# Allegro board 8880F5-0825_4.brd (continued)
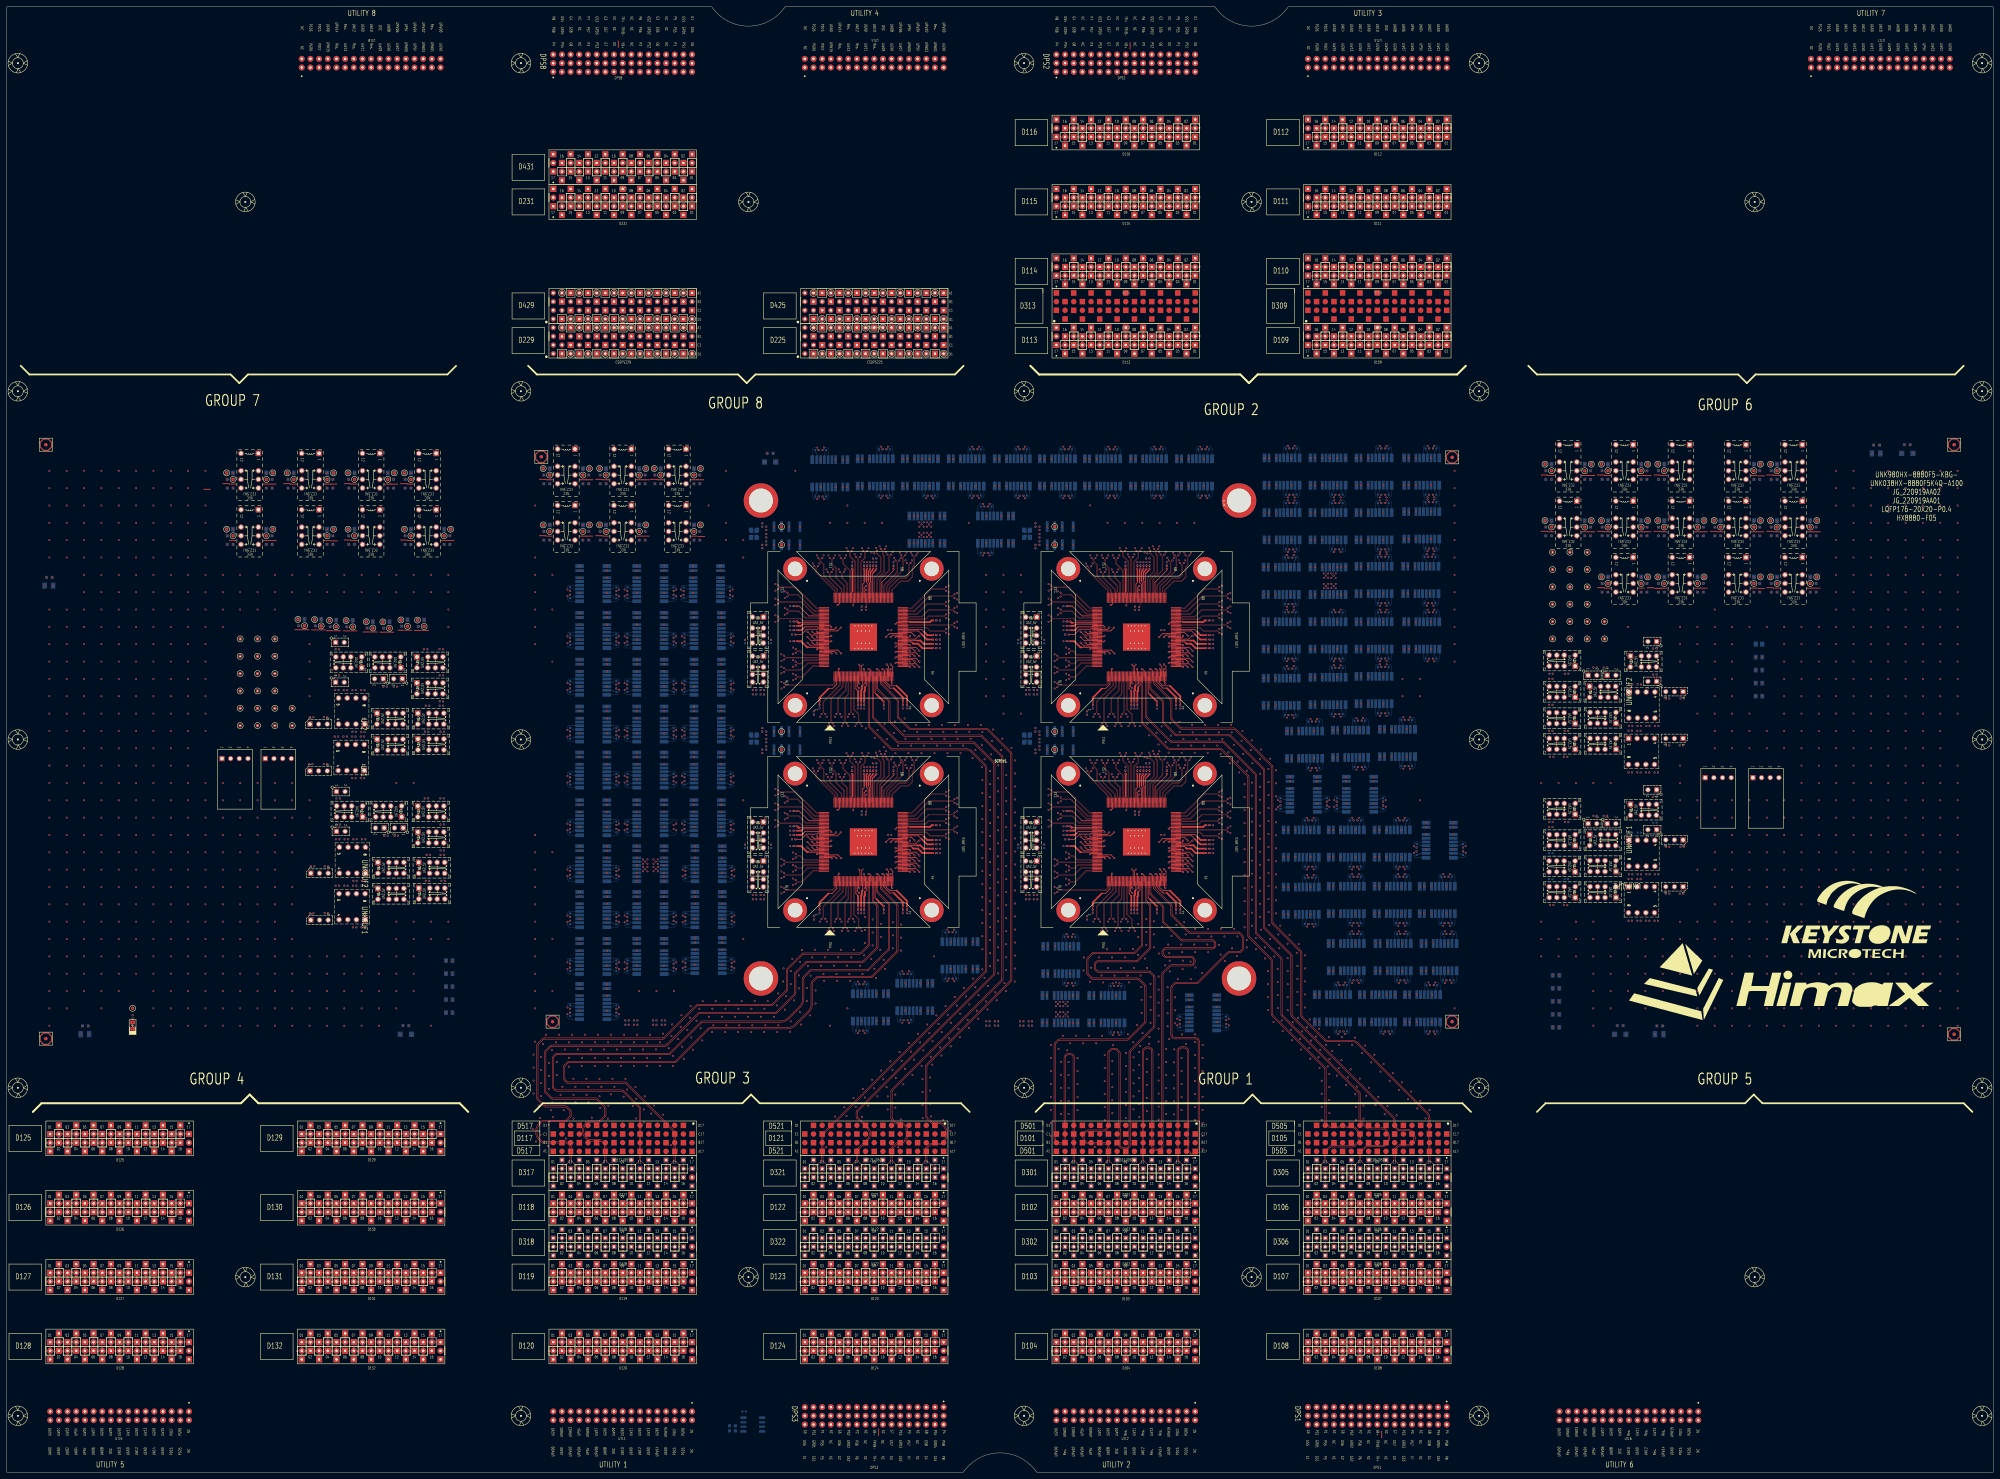
[diagram p0: board, top side]
## Routing (per net, layer and track width the routed paths; a pad name or vN(x,y) marks a point on that pad's centre or on a via; arc(x,y) is an arc through that point) (continued)
S4_ELVRX_100DCH002+: length 337.5
  TOP w0.086: v1(321.88,159.32) 321.42,159.77 321.42,166.55 324.95,170.08 324.95,171.4 325.03,171.48 SITE4.8
  L03_SIGNAL w0.071: 383.54,38.1 385.99,40.55 385.99,43.23 384.79,44.42 376.55,44.42 369.32,51.65 369.32,67.57 364.29,72.6 364.29,126.67 373.42,135.81 373.42,155.04 370.43,158.04 370.43,172.14 378.81,180.53 378.81,191.2 374.24,195.78 373.01,195.78 372.94,195.71 v1(372.94,195.31)
  L28_SIGNAL w0.071: v1(321.88,159.32) 321.47,159.32 321.4,159.24 321.4,157.12 320.04,155.76 308.39,155.76 303.03,161.13 303.03,190.32 308.05,195.34 319.16,195.34 320.83,197.01 355.2,197.01 357.08,195.13 363.03,195.13 368.12,200.21 374.2,200.21 375.73,198.68 375.73,197.09 374.42,195.78 373.01,195.78 372.94,195.71 v1(372.94,195.31)
S4_ELVRX_100DCH002-: length 336.1
  TOP w0.086: SITE4.7 324.63,171.48 324.71,171.4 324.71,170.18 321.18,166.65 321.18,159.77 v1(320.73,159.32)
  L03_SIGNAL w0.071: 388.62,38.1 386.19,40.53 386.19,43.31 384.88,44.62 376.64,44.62 369.52,51.73 369.52,67.65 364.49,72.69 364.49,126.59 373.62,135.72 373.62,155.12 370.62,158.12 370.62,172.06 379.01,180.45 379.01,191.29 374.32,195.98 373.01,195.98 372.94,196.05 v1(372.94,196.45)
  L28_SIGNAL w0.071: v1(320.73,159.32) 321.13,159.32 321.2,159.24 321.2,157.2 319.96,155.96 308.48,155.96 303.23,161.21 303.23,190.23 308.13,195.14 319.25,195.14 320.92,196.81 355.11,196.81 357,194.93 363.12,194.93 368.2,200.02 374.12,200.02 375.53,198.6 375.53,197.17 374.34,195.98 373.01,195.98 372.94,196.05 v1(372.94,196.45)
S4_ELVRX_100DCH003+: length 207.5
  TOP w0.086: SITE4.10 325.83,171.48 325.75,171.4 325.75,168.95 323.58,166.78 323.58,162.51 v1(324.03,162.06)
  L03_SIGNAL w0.071: 381,35.56 383.49,33.07 383.49,31.15 381.59,29.25 378.57,29.25 352.7,55.12 352.7,128.07 356.41,131.77 356.99,131.77 357.06,131.7 v1(357.06,131.3)
  L28_SIGNAL w0.071: v1(357.06,131.3) 357.06,131.7 357.13,131.77 359.94,131.77 360.34,131.38 360.34,129.97 359.59,129.22 336.01,129.22 331.19,134.05 331.19,145.26 323.56,152.89 323.56,161.99 323.63,162.06 v1(324.03,162.06)
S4_ELVRX_100DCH003-: length 209.5
  TOP w0.086: v1(322.89,162.06) 323.34,162.51 323.34,166.88 325.51,169.05 325.51,171.4 325.43,171.48 SITE4.9
  L03_SIGNAL w0.071: v1(357.06,132.44) 357.06,132.04 356.99,131.97 356.33,131.97 352.51,128.15 352.51,55.04 378.49,29.05 381.67,29.05 383.68,31.07 383.68,33.16 386.08,35.56
  L28_SIGNAL w0.071: v1(357.06,132.44) 357.06,132.04 357.13,131.97 360.02,131.97 360.53,131.46 360.53,129.88 359.67,129.02 335.93,129.02 330.99,133.97 330.99,145.18 323.36,152.81 323.36,161.99 323.29,162.06 v1(322.89,162.06)
S4_ELVRX_100DCH004+: length 207.3
  TOP w0.086: SITE4.12 326.63,171.48 326.55,171.4 326.55,167.84 325.57,166.86 325.57,159.77 v1(326.02,159.32)
  L03_SIGNAL w0.071: 391.16,35.56 393.61,33.11 393.61,29.11 390.3,25.8 367.72,25.8 351.08,42.44 351.08,117.95 341.09,127.93 341.09,131.98 341.29,132.18 342.35,132.18 342.75,131.77 343.4,131.77 343.47,131.7 v1(343.47,131.3)
  L28_SIGNAL w0.071: v1(343.47,131.3) 343.47,131.7 343.54,131.77 344.67,131.77 345.06,132.17 345.06,135.3 325.55,154.82 325.55,159.24 325.62,159.32 v1(326.02,159.32)
S4_ELVRX_100DCH004-: length 207.9
  TOP w0.086: SITE4.11 326.23,171.48 326.31,171.4 326.31,167.94 325.33,166.96 325.33,159.77 v1(324.88,159.32)
  L03_SIGNAL w0.071: 396.24,35.56 393.81,33.13 393.81,29.03 390.39,25.6 367.64,25.6 350.88,42.36 350.88,117.87 340.9,127.85 340.9,132.06 341.21,132.38 342.43,132.38 342.84,131.97 343.4,131.97 343.47,132.04 v1(343.47,132.44)
  L28_SIGNAL w0.071: v1(343.47,132.44) 343.47,132.04 343.54,131.97 344.58,131.97 344.86,132.25 344.86,135.22 325.35,154.73 325.35,159.24 325.28,159.32 v1(324.88,159.32)
S4_ELVRX_100DCH005+: length 347.4
  TOP w0.086: SITE4.14 327.43,171.48 327.35,171.4 327.35,162.51 v1(327.8,162.06)
  L03_SIGNAL w0.071: 414.02,38.1 416.42,40.5 416.42,42.35 418.12,44.04 428.49,44.04 438.81,54.37 438.81,134.62 405.22,168.21 405.22,195.03 404.47,195.78 403.11,195.78 403.03,195.71 v1(403.03,195.31)
  L28_SIGNAL w0.071: v1(403.03,195.31) 403.03,195.71 403.11,195.78 412.04,195.78 418.26,189.56 418.26,170.91 416.26,168.91 412.14,168.91 392.3,149.07 367.65,149.07 364.31,152.41 357.8,152.41 356.54,153.67 338.95,153.67 338.27,152.99 331.69,152.99 327.33,157.35 327.33,161.99 327.4,162.06 v1(327.8,162.06)
S4_ELVRX_100DCH005-: length 348.7
  TOP w0.086: SITE4.13 327.03,171.48 327.11,171.4 327.11,162.51 v1(326.66,162.06)
  L03_SIGNAL w0.071: v1(403.03,196.45) 403.03,196.05 403.11,195.98 404.56,195.98 405.42,195.11 405.42,168.29 439.01,134.7 439.01,54.28 428.57,43.84 418.2,43.84 416.62,42.26 416.62,40.58 419.1,38.1
  L28_SIGNAL w0.071: v1(326.66,162.06) 327.06,162.06 327.13,161.99 327.13,157.27 331.6,152.79 338.35,152.79 339.03,153.47 356.45,153.47 357.71,152.21 364.22,152.21 367.56,148.87 392.38,148.87 412.22,168.71 416.34,168.71 418.46,170.82 418.46,189.64 412.12,195.98 403.11,195.98 403.03,196.05 v1(403.03,196.45)
S4_ELVRX_100DCH006+: length 366.4
  TOP w0.086: SITE4.16 328.23,171.48 328.15,171.4 328.15,163.49 329.52,162.12 329.52,159.77 v1(329.98,159.32)
  L03_SIGNAL w0.071: 403.86,38.1 406.28,40.52 406.28,43.76 408.71,46.18 424.79,46.18 436.61,58 436.61,134.51 422.87,148.25 413.37,148.25 403.14,158.48 403.14,190.64 399.68,194.1 392.16,194.1 390.49,195.78 389.52,195.78 389.45,195.71 v1(389.45,195.31)
  L28_SIGNAL w0.071: v1(389.45,195.31) 389.45,195.71 389.52,195.78 390.91,195.78 393.2,193.48 409.55,193.48 414.03,189 414.03,179.35 411.89,177.2 411.89,170.31 395.03,153.45 375.15,153.45 373.68,154.92 360.8,154.92 359.64,156.08 331.11,156.08 329.5,157.68 329.5,159.24 329.57,159.32 v1(329.98,159.32)
S4_ELVRX_100DCH006-: length 367.7
  TOP w0.086: SITE4.15 327.83,171.48 327.91,171.4 327.91,163.39 329.28,162.02 329.28,159.77 v1(328.83,159.32)
  L03_SIGNAL w0.071: v1(389.45,196.45) 389.45,196.05 389.52,195.98 390.57,195.98 392.25,194.3 399.76,194.3 403.34,190.72 403.34,158.56 413.45,148.45 422.95,148.45 436.81,134.6 436.81,57.92 424.87,45.98 408.79,45.98 406.48,43.67 406.48,40.56 408.94,38.1
  L28_SIGNAL w0.071: v1(389.45,196.45) 389.45,196.05 389.52,195.98 390.99,195.98 393.29,193.68 409.63,193.68 414.23,189.08 414.23,179.26 412.08,177.12 412.08,170.23 395.11,153.25 375.07,153.25 373.6,154.72 360.72,154.72 359.56,155.88 331.03,155.88 329.3,157.6 329.3,159.24 329.23,159.32 v1(328.83,159.32)
S4_ISP00+: length 15.9
  TOP w0.086: v1(355.08,185.88) 354.62,186.33 350.29,186.33 349.31,187.31 344.06,187.31 343.98,187.23 SITE4.73
  BOTTOM w0.119: v1(307.81,134.11) UNK4K43.7
S4_ISP00-: length 15.9
  TOP w0.086: SITE4.74 343.98,187.63 344.06,187.55 349.41,187.55 350.39,186.57 354.62,186.57 v1(355.08,187.02)
  BOTTOM w0.119: v1(307.81,137.16) UNK4K43.2
S4_ISP14+: length 14.5
  TOP w0.086: SITE4.112 330.23,197.78 330.15,197.86 330.15,206.59 331.48,207.92 331.48,209.45 v1(331.93,209.9)
  vias: v1(312.21,131.64)
S4_ISP14-: length 14.5
  TOP w0.086: v1(330.79,209.9) 331.24,209.45 331.24,208.02 329.91,206.69 329.91,197.86 329.83,197.78 SITE4.113
  vias: v1(312.21,139.64)
S4_ISP_1LOCK:
  vias: v1(309.91,185.39)
S4_M_DPS_F_001: length 45.2
  TOP w0.231: 346.49,183.63 SITE4.64 ; SITE4.147 313.7,187.63 313.24,187.18 ; SITE4.39 337.43,171.49 338.54,170.37 340.57,170.37 ; 330.63,170.54 SITE4.22 ; SITE4.104 333.43,203.21
  TOP w0.381: v1(334.61,204.54) 334.61,204.39 333.43,203.21
  TOP w0.508: v1(343.63,165.75) 343.63,167.31 340.57,170.37 ; v1(330.17,165.75) 330.17,168.96 330.38,169.17 330.38,170.28 330.63,170.54 ; 313.24,187.18 312.72,186.66 v1(311.44,186.66) ; 346.49,183.63 347.49,183.63 348.48,182.64 v1(351.22,182.64)
  vias: v1(309.4,186.66) v1(330.17,163.71) v1(334.61,206.58) v1(343.63,163.71) v1(353.27,182.64) v1(518.37,295.27) v1(518.37,293.37)
S4_OLVRX_100DCH001+: length 292.8
  TOP w0.086: SITE4.168 317.68,179.23 317.6,179.31 313.35,179.31 312.18,180.49 311.43,180.49 v1(310.98,180.03)
  L03_SIGNAL w0.071: v1(395.5,190.94) 395.1,190.94 395.03,191.02 395.03,192.01 394.27,192.76 393.11,192.76 392.22,191.87 392.22,147.16 392.74,146.64 392.74,119.24 390.72,117.22 390.72,97.12 394.49,93.35 425.06,93.35 427.28,91.13 427.28,65.92 423.73,62.36 416.97,62.36 416.49,61.89 416.49,60.89 414.02,58.42
  L28_SIGNAL w0.071: v1(310.98,180.03) 310.98,180.43 311.05,180.51 312.11,180.51 313.25,181.65 313.25,187.07 317.66,191.48 347.54,191.48 351.15,187.87 355.07,187.87 357.3,190.1 360.42,190.1 362.69,187.84 371.69,187.84 375.83,183.7 389.53,183.7 395.02,189.19 395.02,190.87 395.1,190.94 v1(395.5,190.94)
S4_OLVRX_100DCH001-: length 291.7
  TOP w0.086: SITE4.167 317.68,179.63 317.6,179.55 313.45,179.55 312.28,180.72 311.43,180.72 v1(310.98,181.18)
  L03_SIGNAL w0.071: 419.1,58.42 416.69,60.83 416.69,61.8 417.05,62.16 423.81,62.16 427.48,65.84 427.48,91.21 425.14,93.55 394.57,93.55 390.92,97.2 390.92,117.14 392.94,119.15 392.94,146.73 392.42,147.24 392.42,191.79 393.19,192.56 394.19,192.56 394.83,191.92 394.83,191.02 394.76,190.94 v1(394.35,190.94)
  L28_SIGNAL w0.071: v1(310.98,181.18) 310.98,180.77 311.05,180.7 312.02,180.7 313.05,181.73 313.05,187.15 317.58,191.68 347.62,191.68 351.23,188.07 354.98,188.07 357.22,190.3 360.5,190.3 362.77,188.03 371.77,188.03 375.91,183.89 389.45,183.89 394.83,189.28 394.83,190.87 394.76,190.94 v1(394.35,190.94)
S4_OLVRX_100DCH002+: length 314.9
  TOP w0.086: v1(307.59,178.06) 308.05,178.51 317.6,178.51 317.68,178.43 SITE4.170
  L03_SIGNAL w0.071: v1(395.5,177.36) 395.1,177.36 395.03,177.28 395.03,176.55 395.5,176.07 397.89,176.07 399.07,174.88 399.07,121.98 393.93,116.84 393.93,96.59 395.22,95.3 430.34,95.3 433.89,91.74 433.89,58.72 424.18,49.01 415.08,49.01 413.95,50.13 413.95,53.41 411.48,55.88
  L28_SIGNAL w0.071: v1(307.59,178.06) 307.59,178.46 307.67,178.53 316.95,178.53 319.88,181.46 319.88,187.12 322.62,189.86 347.2,189.86 350.08,186.98 350.08,178 351.58,176.5 377.22,176.5 379.26,178.54 385.21,178.54 387.9,175.86 394.58,175.86 395.02,176.3 395.02,177.28 395.1,177.36 v1(395.5,177.36)
S4_OLVRX_100DCH002-: length 313.8
  TOP w0.086: v1(307.59,179.2) 308.05,178.75 317.6,178.75 317.68,178.83 SITE4.169
  L03_SIGNAL w0.071: v1(394.35,177.36) 394.76,177.36 394.83,177.28 394.83,176.46 395.42,175.87 397.8,175.87 398.88,174.8 398.88,122.07 393.73,116.92 393.73,96.51 395.13,95.1 430.25,95.1 433.7,91.66 433.7,58.8 424.1,49.21 415.16,49.21 414.15,50.21 414.15,53.47 416.56,55.88
  L28_SIGNAL w0.071: v1(394.35,177.36) 394.76,177.36 394.83,177.28 394.83,176.38 394.5,176.05 387.98,176.05 385.29,178.74 379.18,178.74 377.14,176.7 351.66,176.7 350.28,178.08 350.28,187.06 347.28,190.06 322.54,190.06 319.68,187.2 319.68,181.54 316.87,178.73 307.67,178.73 307.59,178.8 v1(307.59,179.2)
S4_OLVRX_100DCH003+: length 236.2
  TOP w0.086: SITE4.172 317.68,177.63 317.6,177.71 313.62,177.71 312.68,176.77 311.43,176.77 v1(310.98,176.32)
  L03_SIGNAL w0.071: v1(382.29,174.18) 381.89,174.18 381.82,174.11 381.82,173.11 383.8,171.12 383.8,142.48 385.69,140.58 385.69,126.54 374.83,115.68 374.83,53.61 379.09,49.35 382.79,49.35 383.51,50.06 383.51,53.37 381,55.88
  L28_SIGNAL w0.071: v1(382.29,174.18) 381.89,174.18 381.82,174.11 381.82,173.11 381.27,172.57 362.44,172.57 359.38,175.64 350.19,175.64 348.56,177.27 348.56,181.1 346.1,183.56 338.63,183.56 334.09,179.03 329.36,179.03 327.12,176.79 311.05,176.79 310.98,176.72 v1(310.98,176.32)
S4_OLVRX_100DCH003-: length 236.5
  TOP w0.086: SITE4.171 317.68,178.03 317.6,177.95 313.52,177.95 312.58,177.01 311.43,177.01 v1(310.98,177.46)
  L03_SIGNAL w0.071: v1(381.15,174.18) 381.55,174.18 381.62,174.11 381.62,173.02 383.6,171.04 383.6,142.39 385.5,140.5 385.5,126.62 374.64,115.76 374.64,53.53 379.01,49.15 382.88,49.15 383.7,49.98 383.7,53.5 386.08,55.88
  L28_SIGNAL w0.071: v1(310.98,177.46) 310.98,177.06 311.05,176.99 327.04,176.99 329.27,179.22 334.01,179.22 338.55,183.76 346.18,183.76 348.76,181.18 348.76,177.35 350.27,175.84 359.46,175.84 362.53,172.77 381.19,172.77 381.62,173.2 381.62,174.11 381.55,174.18 v1(381.15,174.18)
S4_OLVRX_100DCH004+: length 325.2
  TOP w0.086: SITE4.174 317.68,176.83 317.6,176.91 314.63,176.91 312.6,174.88 308.05,174.88 v1(307.59,174.42)
  L03_SIGNAL w0.071: v1(408.96,177.36) 408.56,177.36 408.49,177.28 408.49,176.45 408.86,176.08 415.69,176.08 442.45,149.32 442.45,46.33 422.81,26.68 406.74,26.68 403.77,29.65 403.77,33.11 401.32,35.56
  L28_SIGNAL w0.071: v1(307.59,174.42) 307.59,174.83 307.67,174.9 322.16,174.9 322.89,174.17 357.08,174.17 361.85,169.4 395.83,169.4 402.23,175.8 407.94,175.8 408.49,176.35 408.49,177.28 408.56,177.36 v1(408.96,177.36)
S4_OLVRX_100DCH004-: length 324.2
  TOP w0.086: v1(307.59,175.57) 308.05,175.12 312.5,175.12 314.53,177.15 317.6,177.15 317.68,177.23 SITE4.173
  L03_SIGNAL w0.071: 406.4,35.56 403.97,33.13 403.97,29.73 406.82,26.88 422.72,26.88 442.26,46.41 442.26,149.23 415.61,175.88 408.78,175.88 408.29,176.37 408.29,177.28 408.22,177.36 v1(407.82,177.36)
  L28_SIGNAL w0.071: v1(407.82,177.36) 408.22,177.36 408.29,177.28 408.29,176.43 407.86,176 402.15,176 395.74,169.6 361.93,169.6 357.16,174.37 322.97,174.37 322.24,175.1 307.67,175.1 307.59,175.17 v1(307.59,175.57)
S4_OLVRX_100DCH005+: length 246
  TOP w0.086: v1(310.98,172.38) 311.43,172.83 312.94,172.83 316.22,176.11 317.6,176.11 317.68,176.03 SITE4.176
  L03_SIGNAL w0.071: v1(382.29,160.59) 381.89,160.59 381.82,160.66 381.82,161.67 381.43,162.06 379.72,162.06 379.19,161.54 379.19,131.25 371.5,123.56 371.5,53.93 378.64,46.79 394.74,46.79 396.05,45.48 396.05,40.45 393.7,38.1
  L28_SIGNAL w0.071: v1(310.98,172.38) 310.98,172.78 311.05,172.85 354.69,172.85 362.33,165.21 377.56,165.21 379.02,163.75 379.02,158.06 379.84,157.25 381.03,157.25 381.82,158.03 381.82,160.52 381.89,160.59 v1(382.29,160.59)
S4_OLVRX_100DCH005-: length 245.1
  TOP w0.086: SITE4.175 317.68,176.43 317.6,176.35 316.12,176.35 312.84,173.07 311.43,173.07 v1(310.98,173.52)
  L03_SIGNAL w0.071: 398.78,38.1 396.25,40.63 396.25,45.56 394.83,46.99 378.72,46.99 371.7,54.01 371.7,123.48 379.39,131.17 379.39,161.45 379.8,161.86 381.34,161.86 381.62,161.59 381.62,160.66 381.55,160.59 v1(381.15,160.59)
  L28_SIGNAL w0.071: v1(310.98,173.52) 310.98,173.12 311.05,173.05 354.77,173.05 362.41,165.41 377.65,165.41 379.22,163.83 379.22,158.14 379.92,157.44 380.95,157.44 381.62,158.11 381.62,160.52 381.55,160.59 v1(381.15,160.59)
S4_OLVRX_100DCH006+: length 356.2
  TOP w0.086: SITE4.2 322.63,171.48 322.55,171.4 322.55,171.04 321.9,170.39 308.05,170.39 v1(307.59,169.94)
  L03_SIGNAL w0.071: 411.48,35.56 413.93,33.11 413.93,30.08 415.24,28.77 421.54,28.77 440.75,47.99 440.75,134.42 406.64,168.53 406.64,187.63 408.49,189.48 408.49,190.87 408.56,190.94 v1(408.96,190.94)
  L28_SIGNAL w0.071: v1(408.96,190.94) 408.56,190.94 408.49,190.87 408.49,189.39 410.66,187.22 410.66,171.82 406.9,168.06 397.32,168.06 385.22,155.96 379.39,155.96 374.04,161.31 363.14,161.31 353.9,170.55 343.63,170.55 341.14,168.06 326.8,168.06 324.44,170.41 307.67,170.41 307.59,170.34 v1(307.59,169.94)
S4_OLVRX_100DCH006-: length 354.8
  TOP w0.086: SITE4.1 322.23,171.48 322.31,171.4 322.31,171.14 321.8,170.63 308.05,170.63 v1(307.59,171.09)
  L03_SIGNAL w0.071: v1(407.82,190.94) 408.22,190.94 408.29,190.87 408.29,189.57 406.44,187.72 406.44,168.45 440.55,134.34 440.55,48.07 421.45,28.97 415.32,28.97 414.13,30.16 414.13,33.13 416.56,35.56
  L28_SIGNAL w0.071: v1(407.82,190.94) 408.22,190.94 408.29,190.87 408.29,189.31 410.46,187.13 410.46,171.91 406.81,168.26 397.24,168.26 385.14,156.16 379.48,156.16 374.13,161.51 363.22,161.51 353.98,170.75 343.55,170.75 341.06,168.26 326.88,168.26 324.53,170.61 307.67,170.61 307.59,170.68 v1(307.59,171.09)
S4_PS9G_DCH001: length 3.7
  TOP w0.231: v1(329.63,169.63) 329.03,170.23 SITE4.18
S4_PS9G_DCH002: length 2.2
  TOP w0.231: v1(329.63,171.03) 329.43,171.23 SITE4.19
S4_PS9G_DCH003: length 2.2
  TOP w0.231: v1(331.23,171.03) 331.43,171.23 SITE4.24
S4_PS9G_DCH004: length 2.2
  TOP w0.231: v1(337.63,175.23) 337.83,175.03 SITE4.40
S4_PS9G_DCH005: length 2.2
  TOP w0.231: v1(344.43,175.83) 344.23,176.03 SITE4.45
S4_PS9G_DCH006: length 3.7
  TOP w0.231: v1(345.83,175.83) 345.23,176.43 SITE4.46
S4_PS9G_DCH007: length 5.3
  TOP w0.231: SITE4.47 346.22,176.83 v1(347.22,175.83)
S4_PS9G_DCH009: length 2.2
  TOP w0.231: v1(344.43,177.43) 344.23,177.63 SITE4.49
S4_PS9G_DCH010: length 3.7
  TOP w0.231: v1(345.83,177.43) 345.23,178.03 SITE4.50
S4_PS9G_DCH011: length 5.3
  TOP w0.231: v1(347.22,177.43) 346.22,178.43 SITE4.51
S4_PS9G_DCH014: length 3.7
  TOP w0.231: SITE4.54 345.23,179.63 v1(345.83,179.03)
S4_PS9G_DCH015: length 5.3
  TOP w0.231: v1(347.22,179.03) 346.22,180.03 SITE4.55
S4_PS9G_DCH022: length 5.3
  TOP w0.231: v1(347.22,185.03) 347.05,185.03 346.05,184.03 SITE4.65
S4_PS9G_DCH023: length 2.5
  TOP w0.231: SITE4.66 344.03,184.43 344.43,184.83 v1(344.43,185.03)
S4_PS9G_DCH027: length 3.9
  TOP w0.231: v1(345.83,185.03) 344.83,186.03 SITE4.70
S4_PS9G_DCH028: length 2.3
  TOP w0.231: v1(340.23,188.46) 340.6,188.83 SITE4.77
S4_PS9G_DCH029: length 2.2
  TOP w0.119: SITE4.118 v1(327.83,193.92)
S4_PS9G_DCH030: length 9.2
  TOP w0.231: v1(310.91,185.39) 312.63,185.39 314.16,186.91 317.3,186.91 317.62,187.23 SITE4.148
S4_PS9G_DCH035: length 5.3
  TOP w0.231: v1(314.43,186.23) 315.44,185.23 SITE4.153
S4_PS9G_DCH036: length 2.2
  TOP w0.231: SITE4.154 321.23,184.83 v1(321.43,185.03)
S4_PS9G_DCH037: length 2.2
  TOP w0.231: SITE4.155 317.43,184.43 v1(317.23,184.63)
S4_PS9G_DCH038: length 3.7
  TOP w0.231: v1(315.83,184.63) 316.43,184.03 SITE4.156
S4_PS9G_DCH039: length 5.3
  TOP w0.231: SITE4.157 315.44,183.63 v1(314.43,184.63)
S4_PS9G_DCH040: length 2.2
  TOP w0.231: SITE4.158 321.23,183.23 v1(321.43,183.43)
S4_RLY_001:
  vias: v1(402.14,146.88) v1(415.1,163.64)
S4_RLY_003:
  vias: v1(318.32,131.64) v1(403.41,209.61)
S4_RLY_005:
  vias: v1(388.43,146.88) v1(415.6,146.88)
S4_RLY_007:
  vias: v1(415.61,188.92)
S4_RLY_008:
  vias: v1(375.22,180.15) v1(397.57,131.89)
S4_RLY_016:
  vias: v1(388.43,163.64) v1(410.78,131.89)
S4_RLY_018:
  vias: v1(312.25,216.97)
S4_RLY_021:
  vias: v1(384.36,131.89) v1(401.89,163.64)
S4_RLY_022:
  vias: v1(346.27,138.37) v1(375.73,202.38)
S4_RLY_023:
  vias: v1(392.24,202.38)
S4_RLY_025:
  vias: v1(375.22,163.39) v1(388.43,180.15)
S4_RLY_026:
  vias: v1(401.89,180.15)
S4_RLY_030:
  vias: v1(304.82,146.05)
S4_RLY_043:
  vias: v1(304.61,131.64)
S4_SCAN_DCH008: length 2.2
  TOP w0.231: v1(340.23,177.03) 340.43,177.23 SITE4.48
S4_SCAN_DCH012: length 2.2
  TOP w0.231: v1(340.23,178.63) 340.43,178.83 SITE4.52
S4_SCAN_DCH013: length 2.2
  TOP w0.231: v1(344.43,179.03) 344.23,179.23 SITE4.53
S4_SCAN_DCH016: length 2.2
  TOP w0.231: SITE4.56 340.43,180.43 v1(340.23,180.23)
S4_SCAN_DCH017: length 2.2
  TOP w0.231: v1(344.43,180.63) 344.23,180.83 SITE4.57
S4_SCAN_DCH018: length 3.7
  TOP w0.231: SITE4.58 345.23,181.23 v1(345.83,180.63)
S4_SCAN_DCH019: length 5.3
  TOP w0.231: SITE4.59 346.22,181.63 v1(347.22,180.63)
S4_SCAN_DCH020: length 2.2
  TOP w0.231: SITE4.60 340.43,182.03 v1(340.23,181.83)
S4_SCAN_DCH021: length 2.2
  TOP w0.231: SITE4.61 344.23,182.43 v1(344.43,182.23)
S4_SCAN_DCH024: length 2.2
  TOP w0.231: SITE4.67 340.43,184.83 v1(340.23,184.63)
S4_SCAN_DCH025: length 3.7
  TOP w0.231: v1(338.83,184.63) 339.43,185.23 SITE4.68
S4_SCAN_DCH026: length 5.3
  TOP w0.231: v1(337.44,184.63) 338.44,185.63 SITE4.69
S4_SCAN_DCH031: length 3.7
  TOP w0.231: v1(322.83,187.43) 322.23,186.83 SITE4.149
S4_SCAN_DCH032: length 5.3
  TOP w0.231: v1(324.22,187.43) 323.22,186.43 SITE4.150
S4_SCAN_DCH033: length 2.2
  TOP w0.231: SITE4.151 317.43,186.03 v1(317.23,186.23)
S4_SCAN_DCH034: length 3.7
  TOP w0.231: v1(315.83,186.23) 316.43,185.63 SITE4.152
S4_SPI_1_SCK:
  vias: v1(480.07,175.15)
S4_SPI_1_SDO:
  vias: v1(455.94,166.12)
S4_SPI_2_CSN:
  vias: v1(475.87,173.79)
S4_SPI_2_SCK:
  vias: v1(479.97,161.55)
S4_SPI_2_SDO:
  vias: v1(451.87,166.12)
S4_SPI_11_SDO:
  vias: v1(456.94,166.12) v1(482.61,175.15)
S4_SPI_22_SDI:
  vias: v1(477.43,173.74)
S4_SPI_22_SDO:
  vias: v1(452.87,166.12) v1(482.51,161.55)
S4_SPI_CSN: length 2.2
  TOP w0.231: SITE4.43 339.03,171.23 v1(339.23,171.03)
S4_SPI_SCK: length 2.2
  TOP w0.231: v1(338.83,175.23) 338.63,175.03 SITE4.42
S4_SPI_SDI: length 3.7
  TOP w0.231: SITE4.44 339.43,176.03 v1(338.83,176.63)
S4_SPI_SDO: length 3.7
  TOP w0.231: SITE4.41 338.23,176.03 v1(337.63,176.63)
S4_XTAL_IN: length 2.5
  TOP w0.119: v1(331.63,198.51) 331.43,198.31 SITE4.109
  vias: v1(306.85,211.67)
S4_XTAL_OUT: length 3.7
  TOP w0.231: v1(331.63,199.63) 331.03,199.03 SITE4.110
  vias: v1(306.85,216.97)
UDBGND:
  vias: v1(13.3,262.13) v1(13.55,259.69) v1(23.86,130.71) v1(24.11,128.27) v1(36.83,129.86) v1(117.69,130.81) v1(118.49,128.27) v1(128.57,149.86) v1(128.57,146.05) v1(128.57,138.43) v1(128.57,134.62) v1(130.51,142.24) v1(224.37,298.45) v1(225.17,295.91) v1(452.68,137.92) v1(452.68,134.11) v1(452.68,130.3) v1(454.61,145.54) v1(454.61,141.73) v1(473.29,130.81) v1(474.09,128.27) v1(484.87,130.71) v1(485.12,128.27) v1(512.11,238.76) v1(512.11,234.95) v1(512.11,231.14) v1(512.11,227.33) v1(548.37,300.89) v1(548.62,298.45) v1(557.36,300.99) v1(558.16,298.45)
UT1_UP5V:
  vias: v1(11.05,259.69) v1(11.6,262.13) v1(21.61,128.27) v1(22.16,130.71) v1(36.83,135.89) v1(36.83,133.85) v1(115.19,128.27) v1(115.99,130.81) v1(175.7,264.1) v1(175.7,250.38) v1(175.7,236.67) v1(175.7,222.95) v1(175.7,209.49) v1(175.7,195.52) v1(175.7,182.06) v1(175.7,168.6) v1(175.7,154.88) v1(175.7,141.67) v1(192.47,264.1) v1(192.47,250.38) v1(192.47,236.67) v1(192.47,222.95) v1(192.47,209.49) v1(192.47,195.52) v1(192.47,182.06) v1(192.47,168.6) v1(192.47,154.88) v1(208.98,264.1) v1(209.23,250.38) v1(209.23,236.67) v1(209.23,222.95) v1(209.23,209.49) v1(209.23,195.52) v1(209.49,182.06) v1(209.49,168.6) v1(209.49,155.13) v1(221.87,295.91) v1(222.67,298.45) v1(232.25,271.67) v1(232.25,211.67) v1(244.8,288.61) v1(250.5,296.86) v1(256.73,132.14) v1(263.71,296.86) v1(269.69,135.19) v1(273.24,272.1) v1(277.17,296.86) v1(282.9,147.38) v1(290.64,296.86) v1(293.31,272.1) v1(303.84,296.86) v1(304.61,139.64) v1(304.82,154.05) v1(312.25,271.67) v1(312.25,211.67) v1(317.05,296.86) v1(318.32,139.64) v1(330.51,296.86) v1(343.98,296.86) v1(354.27,138.37) v1(369.38,265.11) v1(369.38,249.11) v1(369.38,232.6) v1(369.63,297.12) v1(369.63,281.11) v1(375.22,188.15) v1(375.22,171.39) v1(376.23,217.11) v1(383.09,297.12) v1(383.09,281.11) v1(383.09,265.11) v1(383.09,249.11) v1(383.09,232.85) v1(383.73,202.38) v1(384.36,139.89) v1(388.43,188.15) v1(388.43,171.64) v1(388.43,154.88) v1(389.7,217.36) v1(396.55,297.12) v1(396.55,281.11) v1(396.55,265.37) v1(396.55,249.11) v1(396.55,233.11) v1(397.57,139.89) v1(400.24,202.38) v1(401.89,188.15) v1(401.89,171.64) v1(402.14,154.88) v1(403.41,217.61) v1(410.27,265.37) v1(410.52,297.12) v1(410.52,281.37) v1(410.52,249.11) v1(410.78,139.89) v1(415.1,171.64) v1(415.6,154.88) v1(423.61,188.92) v1(470.79,128.27) v1(471.59,130.81) v1(482.62,128.27) v1(483.17,130.71) v1(546.12,298.45) v1(546.67,300.89) v1(554.86,298.45) v1(555.66,300.99)
N16868442:
  vias: v1(36.83,132.85) v1(36.83,131.76)
N24574244:
  vias: v1(88.53,207.41)
N24574268:
  vias: v1(88.77,221.18)
N24574272:
  vias: v1(93.83,221.18)
N24574311:
  vias: v1(102.1,215.5)
N24574376:
  vias: v1(102.2,229.1)
N24574578:
  vias: v1(93.83,207.46)
N24787993:
  vias: v1(185.21,289.56)
N24789529:
  vias: v1(118.32,288.29)
N24789779:
  vias: v1(168.7,289.56)
N25330426:
  vias: v1(168.7,273.05)
N25334489:
  vias: v1(185.21,273.05)
N25337760:
  vias: v1(201.21,273.05)
N25339188:
  vias: v1(201.21,289.56)
N25462044:
  vias: v1(175.47,273.05)
N25462912:
  vias: v1(158.96,273.05)
N25463486:
  vias: v1(191.48,289.56)
N25464528:
  vias: v1(158.96,289.56)
N25465136:
  vias: v1(175.47,289.56)
N26125600: length 3
  BOTTOM w0.119: R55.2 211.29,259.17 210.81,258.7 K25.3
N26125602: length 3
  BOTTOM w0.119: K25.4 210.81,256.5 211.29,256.03 R56.1
N26125604: length 3
  BOTTOM w0.119: R57.2 198.67,259.17 199.14,258.7 K25.6
N26125606: length 3
  BOTTOM w0.119: R58.1 198.67,256.03 199.14,256.5 K25.5
N26125622: length 3
  BOTTOM w0.119: K26.3 194.3,244.98 194.78,245.46 R59.2
N26125624: length 3
  BOTTOM w0.119: R60.1 194.78,242.31 194.3,242.78 K26.4
N26125626: length 3
  BOTTOM w0.119: R61.2 182.16,245.46 182.63,244.98 K26.6
N26125628: length 3
  BOTTOM w0.119: K26.5 182.63,242.78 182.16,242.31 R62.1
N26125644: length 3
  BOTTOM w0.119: K27.5 165.87,242.78 165.4,242.31 R66.1
N26125646: length 3
  BOTTOM w0.119: K27.6 165.87,244.98 165.4,245.46 R65.2
N26125685: length 3
  BOTTOM w0.119: K22.6 199.4,244.98 198.92,245.46 R45.2
N26125687: length 3
  BOTTOM w0.119: R46.1 198.92,242.31 199.4,242.78 K22.5
N26125689: length 3
  BOTTOM w0.119: R47.2 194.78,231.74 194.3,231.27 K23.3
N26125691: length 3
  BOTTOM w0.119: R48.1 194.78,228.6 194.3,229.07 K23.4
N26125693: length 3
  BOTTOM w0.119: K23.6 182.63,231.27 182.16,231.74 R49.2
N26125695: length 3
  BOTTOM w0.119: R50.1 182.16,228.6 182.63,229.07 K23.5
N26125711: length 3
  BOTTOM w0.119: R51.2 178.01,231.74 177.54,231.27 K24.3